# KiCad board LivSynth_Hardware.kicad_pcb (continued)
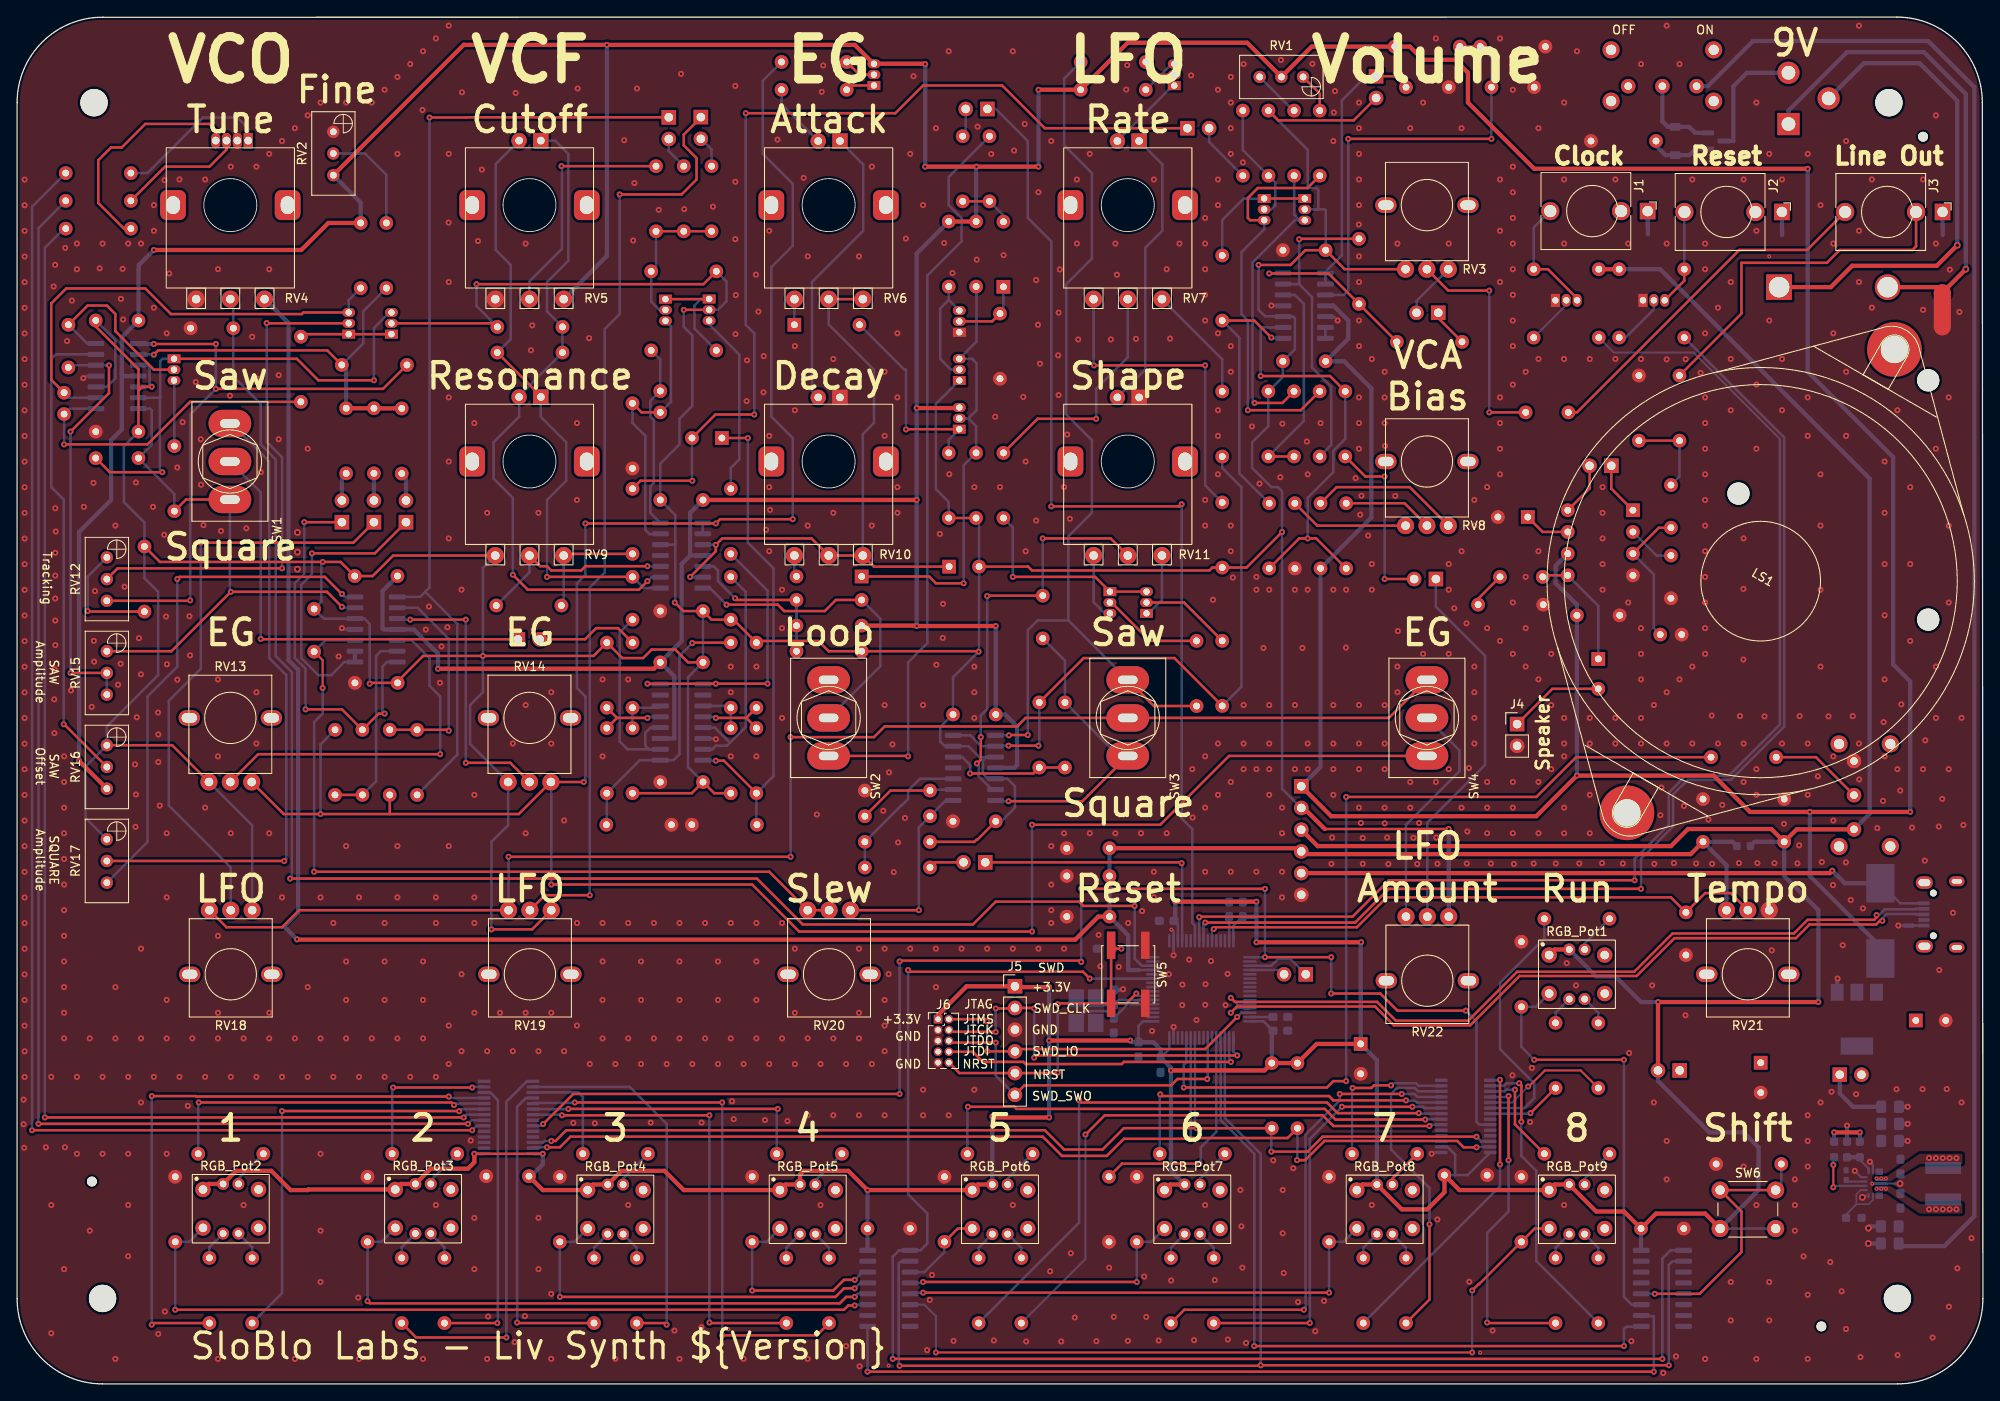
[diagram p0: board, top side]
## Routing (per net, layer and track width the routed paths; a pad name or vN(x,y) marks a point on that pad's centre or on a via; arc(x,y) is an arc through that point) (continued)
VBUS: length 74.6
  Top w0.5: v1(212.38,60.05) 212.09,59.77 J201.5
  Bottom w0.3: J21.1 220.35,56.23 D12.2
  Bottom w0.5: D12.2 213.85,58.58 v1(212.38,60.05)
/EG/AR_OUT: length 303.7
  Top w0.3: SW4.1 141.8,73.48 133.75,65.43 v1(118.75,65.43) ; 43.6,66.68 R79.1 ; 43.6,66.68 v1(35.5,66.68) 31.2,66.68 RV13.3 ; 43.6,66.68 58.7,66.68 RV14.3 v1(66.3,70.43) ; v1(90.75,101.18) 82.25,101.18 v1(81.75,100.68) v1(66.5,100.68) ; v1(118.75,52.93) 91.5,52.93 86,58.43 v1(62.5,58.43)
  Bottom w0.3: U5.2 U5.1 80.28,100.68 v1(81.75,100.68) ; v1(90.75,101.18) 90.75,110.68 88.25,113.18 88.25,130.68 90.75,133.18 90.75,140.43 87.25,143.93 87.25,152.49 R4.2 ; v1(62.5,58.43) 62.5,70.38 RV14.3 ; v1(66.3,70.43) 66.5,70.63 66.5,80.43 65.5,81.43 65.5,93.68 66.5,94.68 v1(66.5,100.68) ; v1(118.75,65.43) v1(118.75,52.93) ; R81.1 35.5,74.84 v1(35.5,66.68)
/EG/GATE_OUT: length 117.2
  Top w0.3: v1(136.25,102.93) 136,102.68 v1(121,102.68)
  Bottom w0.3: v1(136.25,102.93) 136.25,66.18 137.5,64.93 137.5,53.93 137.81,53.62 U9.23 ; v1(121,102.68) 121,133.68 118.25,136.43 118.25,145.43 114.5,149.18 J11.1
/IO/ADC_IN1: length 181.8
  Top w0.3: v1(130.75,55.93) 124.75,55.93 124.25,56.43 114.5,56.43 111.83,53.76 91.92,53.76 86.55,59.13 v1(31.95,59.13)
  Bottom w0.3: RV4.2 25.3,126.58 C6.1 25.3,117.88 28.5,114.68 28.5,109.93 30.25,108.18 30.25,85.18 32.15,83.28 32.15,59.33 v1(31.95,59.13) ; U9.14 131.6,48.93 130.75,49.78 v1(130.75,55.93)
/IO/ADC_IN2: length 68
  Top w0.3: v1(140,53.23) 140.2,53.43 156.75,53.43 160.25,56.93 193.5,56.93 C43.1 197.5,57.43 200.5,57.43 RV21.2
  Bottom w0.3: v1(140,53.23) 139.81,53.04 U9.27
/IO/BTN1: length 93.1
  Top w0.3: v1(98,9.18) 97.25,9.18 96.75,8.68 v1(18.5,8.68)
  Bottom w0.3: v1(98,9.18) 98.09,9.27 U14.11 ; v1(18.5,8.68) R111.2 20.12,16.62 RGB_Pot2.3
/IO/BTN2: length 70
  Top w0.3: v1(41,9.68) 41.25,9.43 96.25,9.43 97,10.18 v1(98,10.18)
  Bottom w0.3: U14.12 98.37,10.54 v1(98,10.18) ; RGB_Pot3.3 42.62,16.62 R110.2 v1(41,9.68)
/IO/BTN3: length 47
  Top w0.3: v1(98,11.18) 96.75,11.18 95.75,10.18 v1(63.5,10.18)
  Bottom w0.3: v1(98,11.18) 98.63,11.81 U14.13 ; v1(63.5,10.18) R109.2 65.19,16.62 RGB_Pot4.3
/IO/BTN4: length 24
  Top w0.3: v1(98,12.18) 96.75,12.18 95.5,10.93 v1(86,10.93)
  Bottom w0.3: v1(86,10.93) R108.2 87.69,16.62 RGB_Pot5.3 ; U14.14 98.91,13.08 v1(98,12.18)
/IO/BTN5: length 10.1
  Top w0.3: RGB_Pot6.3 110.06,18.18 R107.2
  Bottom w0.3: U14.3 106.16,13.08 108.5,15.43 R107.2
/IO/BTN6: length 35.2
  Top w0.3: v1(106,11.93) v1(131,11.93)
  Bottom w0.3: U14.4 105.88,11.81 v1(106,11.93) ; RGB_Pot7.3 132.69,16.62 R105.2 v1(131,11.93)
/IO/BTN7: length 58.9
  Top w0.3: v1(153.5,10.68) v1(106,10.68)
  Bottom w0.3: RGB_Pot8.3 155.19,16.62 R113.2 v1(153.5,10.68) ; v1(106,10.68) 104.61,10.68 U14.5
/IO/BTN8: length 89.8
  Top w0.25: v1(170.25,3.68) v1(107.5,3.68)
  Top w0.3: RGB_Pot9.3 177.56,18.18 R112.2 171.06,11.68 171,11.68 v1(170.25,10.93)
  Bottom w0.25: U14.6 106.16,9.27 107.5,7.93 v1(107.5,3.68) ; v1(170.25,10.93) v1(170.25,3.68)
/IO/BTN9: length 51.4
  Top w0.3: v1(177.5,37.93) v1(188,37.93)
  Bottom w0.3: RGB_Pot1.3 177.69,44.12 R89.2 176,39.43 v1(177.5,37.93) ; U13.11 188.9,9.27 188,10.18 v1(188,37.93)
/IO/BTN_SHIFT: length 31.9
  Top w0.3: v1(191.62,10.54) 196.87,10.54 201.75,15.43 201.75,20.18 SW6.1 SW6.1
  Bottom w0.3: R114.1 206.41,23.34 SW6.1 ; v1(191.62,10.54) U13.12
/IO/CLOCK_OUT: length 143.2
  Top w0.3: v1(138.31,54.62) 138.37,54.68 156.25,54.68 160.5,58.93 v1(189.25,58.93)
  Bottom w0.25: 206.25,110.53 206.25,110.57 196.14,120.68 186.81,120.68 R30.1
  Bottom w0.3: v1(189.25,58.93) 189.25,61.43 193.25,65.43 193.25,69.18 195.25,71.18 200.29,71.18 206.25,77.14 206.25,110.53 ; v1(138.31,54.62) U9.24
/IO/I2C_SCL_IN: length 129
  Top w0.3: v1(170.75,28.93) 152.75,28.93 151,27.18 v1(146.75,27.18) ; R93.2 138.02,29.92 v1(138.01,29.93) 129.5,29.93 127,27.43 122.5,27.43 120.25,29.68 64.25,29.68 63,28.43 v1(62.5,28.43)
  Bottom w0.3: v1(146.75,27.18) 146.75,29.87 R93.2 ; v1(138.01,29.93) 137.81,30.13 U9.58 ; U11.26 61.57,28.25 61.75,28.43 v1(62.5,28.43) ; v1(170.75,28.93) 171.3,28.38 U10.26
/IO/I2C_SDA_IN: length 131.8
  Top w0.3: v1(62,27.68) 63.5,27.68 64.75,28.93 120,28.93 122.25,26.68 127.5,26.68 129.5,28.68 v1(137.25,28.68) 137.34,28.77 148.65,28.77 R92.2 ; v1(149.75,26.18) 150.71,26.18 152.96,28.43 168.5,28.43 169.25,27.68 v1(170.75,27.68)
  Bottom w0.3: v1(137.25,28.68) 137.31,28.74 U9.59 ; v1(62,27.68) 60.44,27.68 U11.27 60.39,27.63 ; R92.2 149.8,26.23 v1(149.75,26.18) ; v1(170.75,27.68) 170.8,27.73 U10.27
/IO/LED1_B: length 156.6
  Top w0.3: v1(3.25,31.18) v1(52.25,31.18)
  Bottom w0.3: U11.8 52.57,31.5 v1(52.25,31.18) ; R16.2 5.5,135.18 3.25,132.93 v1(3.25,31.18)
/IO/LED1_G: length 161.6
  Top w0.3: v1(2.5,30.43) v1(52.75,30.43)
  Bottom w0.3: U11.7 53.18,30.85 v1(52.75,30.43) ; R15.2 2.5,135.24 v1(2.5,30.43)
/IO/LED1_R: length 166.7
  Top w0.3: v1(1.75,29.68) v1(53.25,29.68)
  Bottom w0.3: v1(53.25,29.68) 53.78,30.2 U11.6 ; R14.2 1.75,137.74 v1(1.75,29.68)
/IO/LED_OEN: length 164.7
  Top w0.3: v1(103.25,49.43) 103.35,49.53 124.35,49.53 v1(124.5,49.38) ; v1(124.5,57.93) v1(146,57.93) ; v1(61.54,30.4) 65.07,33.93 v1(103.25,33.93) ; v1(146,49.93) v1(153.75,49.93) ; v1(169.5,43.68) 161.5,43.68 159.5,45.68 v1(153.75,45.68)
  Bottom w0.3: v1(61.54,30.4) 61.35,30.2 U11.23 ; 144.5,49.93 v1(146,49.93) v1(146,57.93) ; v1(103.25,33.93) v1(103.25,49.43) ; U10.23 171.1,30.33 170.75,30.68 170.75,42.43 v1(169.5,43.68) ; v1(153.75,45.68) v1(153.75,49.93) ; v1(124.5,57.93) v1(124.5,49.38)
/IO/P1_B: length 72.6
  Top w0.3: v1(15.75,6.93) 15.94,7.12 R125.1 ; v1(50.5,33.63) 20.96,33.63 20.91,33.68 v1(15.75,33.68)
  Bottom w0.3: v1(50.5,33.63) 50.67,33.45 U11.11 ; v1(15.75,33.68) v1(15.75,6.93)
/IO/P1_G: length 39.6
  Top w0.3: v1(51.12,32.63) 50.82,32.93 v1(21.25,32.93)
  Bottom w0.3: v1(21.25,32.93) 21.19,32.87 R104.2 ; U11.10 51.29,32.8 v1(51.12,32.63)
/IO/P1_R: length 50
  Top w0.3: v1(31,31.93) 51.71,31.93 v1(51.73,31.91)
  Bottom w0.3: U11.9 51.97,32.15 v1(51.73,31.91) ; R124.2 31,10.62 v1(31,31.93)
/IO/P2_B: length 44.6
  Top w0.3: R123.1 46.69,5.43 v1(57.25,5.43)
  Bottom w0.3: U11.15 59.64,35.4 57.25,33.02 v1(57.25,5.43)
/IO/P2_G: length 18.5
  Top w0.3: v1(53.25,34.68) v1(44,34.68)
  Bottom w0.3: v1(44,34.68) 43.88,34.56 R103.2 ; U11.13 53.32,34.75 v1(53.25,34.68)
/IO/P2_R: length 34.3
  Top w0.3: v1(56.19,7.12) R122.2
  Bottom w0.3: v1(56.19,7.12) 56.25,7.18 56.25,33.22 55.36,34.1 U11.12
/IO/P3_B: length 36.6
  Top w0.3: R131.1 58.56,7.12 v1(58.5,7.18)
  Bottom w0.3: U11.18 59.53,33.45 58.5,32.43 v1(58.5,7.18)
/IO/P3_G: length 12.7
  Bottom w0.3: R100.2 66.19,33.59 65.68,34.1 U11.17
/IO/P3_R: length 44.5
  Top w0.3: R130.2 75.81,7.12 v1(76,6.93)
  Bottom w0.3: U11.16 71.68,34.75 76,30.43 v1(76,6.93)
/IO/P4_B: length 53.9
  Top w0.3: R129.1 81.06,7.12 v1(81,7.18) ; v1(63.75,31.43) v1(81,31.43)
  Bottom w0.3: U11.21 63.68,31.5 v1(63.75,31.43) ; v1(81,31.43) v1(81,7.18)
/IO/P4_G: length 33.9
  Top w0.3: v1(64.5,32.18) v1(89,32.18)
  Bottom w0.3: U11.20 64.47,32.15 v1(64.5,32.18) ; v1(89,32.18) 88.88,32.06 R99.2
/IO/P4_R: length 62.5
  Top w0.3: v1(65.25,32.93) v1(82.5,32.93) ; v1(82.5,5.68) 93.56,5.68 R128.2
  Bottom w0.3: v1(65.25,32.93) 65.2,32.88 60.44,32.88 U11.19 ; v1(82.5,32.93) v1(82.5,5.68)
/IO/P5_B: length 74
  Top w0.3: v1(164,31.68) 154.5,31.68 153.25,32.93 124.5,32.93 v1(124.25,33.18)
  Bottom w0.3: U10.8 164.05,31.63 v1(164,31.68) ; R127.1 124.25,18.87 v1(124.25,33.18)
/IO/P5_G: length 61.6
  Top w0.3: v1(111.25,32.43) 116.69,32.43 116.94,32.18 153,32.18 154.25,30.93 v1(164.75,30.93)
  Bottom w0.3: U10.7 164.8,30.98 v1(164.75,30.93) ; R98.2 111.19,32.37 v1(111.25,32.43)
/IO/P5_R: length 68.3
  Top w0.3: v1(125,29.18) 127.25,31.43 152.75,31.43 154,30.18 v1(165.25,30.18)
  Bottom w0.25: R126.2 125,14.62 v1(125,29.18)
  Bottom w0.3: v1(165.25,30.18) 165.4,30.33 U10.6
/IO/P6_B: length 55.4
  Top w0.3: v1(150.55,8.68) 136.56,8.68 R121.1 ; v1(162,33.93) v1(154.75,33.93)
  Bottom w0.3: U10.11 163.85,33.58 163.5,33.93 v1(162,33.93) ; v1(154.75,33.93) 154.75,33.13 154.71,33.13 150.75,29.17 150.75,8.68 v1(150.55,8.68)
/IO/P6_G: length 40.3
  Top w0.3: v1(162.5,33.18) 154,33.18 153.5,33.68 133.95,33.68 v1(133.75,33.88)
  Bottom w0.3: v1(162.5,33.18) 162.55,33.13 163.55,33.13 163.75,32.93 U10.10 ; v1(133.75,33.88) 133.69,33.82 R97.2
/IO/P6_R: length 49.8
  Top w0.3: v1(151.25,7.13) 151.24,7.12 R120.2 ; v1(163.25,32.43) v1(155,32.43)
  Bottom w0.3: v1(155,32.43) 151.25,28.68 v1(151.25,7.13) ; v1(163.25,32.43) 164.5,32.43 164.65,32.28 U10.9
/IO/P7_B: length 36.2
  Top w0.3: v1(173.5,35.58) v1(173.5,25.68)
  Bottom w0.3: U10.15 173.45,35.53 v1(173.5,35.58) ; R119.1 173.5,23.12 v1(173.5,25.68)
/IO/P7_G: length 18.5
  Top w0.3: v1(156.25,34.63) 158.45,34.63 158.75,34.93 v1(160.75,34.93)
  Bottom w0.3: v1(160.75,34.93) 161,35.18 163.66,35.18 163.96,34.88 U10.13 ; R102.2 156.19,34.57 v1(156.25,34.63)
/IO/P7_R: length 36.2
  Top w0.3: v1(165.25,18.68) 165.25,9.87 R118.2
  Bottom w0.3: v1(165.25,18.68) 165.25,22.93 160.75,27.43 160.75,33.93 161.45,34.63 163.51,34.63 163.91,34.23 U10.12
/IO/P8_B: length 37.7
  Top w0.3: v1(172,7.18) 172.06,7.12 R117.1 ; v1(174.5,26.18) v1(174.5,33.68)
  Bottom w0.3: U10.18 174.4,33.58 v1(174.5,33.68) ; v1(174.5,26.18) 174.5,20.18 172,17.68 v1(172,7.18)
/IO/P8_G: length 11.9
  Top w0.3: v1(175.25,34.43) 175.25,30.37 R101.2
  Bottom w0.3: v1(175.25,34.43) 174.25,34.43 174.05,34.23 U10.17
/IO/P8_R: length 35.4
  Top w0.3: v1(175.75,35.18) 176,34.93 v1(176,30.68)
  Bottom w0.3: R116.2 177.75,14.37 177.75,24.93 176,26.68 v1(176,30.68) ; U10.16 173.95,34.88 174.25,35.18 v1(175.75,35.18)
/IO/P9_B: length 8.9
  Top w0.3: v1(177.06,31.68) R91.1
  Bottom w0.3: U10.21 177.01,31.63 v1(177.06,31.68)
/IO/P9_G: length 30.4
  Bottom w0.3: U10.20 176.35,32.28 177.5,33.43 177.5,35.18 173.5,39.18 173.5,46.93 178.69,52.12 R88.2
/IO/P9_R: length 15
  Top w0.25: v1(176.8,34.8) 176.88,34.8 178.75,36.68 182.94,36.68 R90.2
  Bottom w0.25: U10.19 174.93,32.93 v1(176.8,34.8)
/IO/RESET_OUT: length 134.1
  Top w0.3: v1(190,57.93) 160.5,57.93 156.55,53.98 v1(139.01,53.98)
  Bottom w0.3: v1(190,57.93) 190,61.47 193.75,65.22 193.75,68.97 194.96,70.18 195,70.18 195.5,70.68 200.5,70.68 206.75,76.93 206.75,110.74 R29.1 ; v1(139.01,53.98) 138.81,53.78 U9.25
/IO/SR_SHLDN: length 184.3
  Top w0.3: v1(102.45,2.93) v1(192.5,2.93) ; v1(104.25,48.43) 104.45,48.23 124.7,48.23 v1(125.5,47.43)
  Bottom w0.3: v1(104.25,48.43) 104.25,22.18 106.5,19.93 106.5,16.43 105.69,15.62 103.44,15.62 ; v1(192.5,2.93) 192.5,14.68 193.44,15.62 U13.1 ; U9.11 v1(125.5,47.43) ; v1(102.45,2.93) 102.45,14.88 103.19,15.62 103.44,15.62 ; 103.44,15.62 U14.1
/IO/SR_SPI_CLK: length 157.2
  Top w0.3: v1(193.25,2.18) v1(145.5,2.18) 145.45,2.13 v1(103.25,2.13)
  Bottom w0.3: U13.2 193.68,14.35 193.25,13.93 v1(193.25,2.18) ; v1(145.5,2.18) 145.5,26.93 141.31,31.12 U9.51 ; U14.2 103.43,14.35 103.15,14.08 103.15,2.23 v1(103.25,2.13)
/IO/SR_SPI_MISO: length 85.1
  Top w0.3: v1(144.75,4.43) v1(188,4.43)
  Bottom w0.3: v1(144.75,4.43) 144.75,26.93 140.81,30.87 U9.52 ; v1(188,4.43) 188,6.43 188.25,6.68 189.97,6.68 U13.9
/IO/VCA_IN: length 4.6
  Top w0.3: J13.1 166.28,124.71 R35.2
/LFO/LFO_SQA_OUT: length 111.5
  Top w0.3: SW3.1 133.01,79.32 R63.2 ; v1(118.25,75.93) 116.08,75.93 v1(116.04,75.89)
  Bottom w0.3: v1(118.25,75.93) 118.25,88.18 119.4,89.33 123,89.33 ; U6.1 v1(116.04,75.89) ; 123,89.33 123,99.18 125.75,101.93 125.75,110.43 122.75,113.43 122.75,128.68 125.75,131.68 125.75,141.68 122.5,144.93 122.5,152.74 R3.2 ; 123,89.33 SW3.1
/LFO/LFO_TRI_OUT: length 35.1
  Top w0.3: SW3.3 124.65,68.18 v1(116,68.18)
  Bottom w0.3: v1(116,68.18) 114.56,68.18 U6.7 ; 128.86,73.48 R71.1 122.6,84.63 C25.2
/MCU/BOOT0: length 103.1
  Top w0.3: R73.2 182.4,73.33 177.75,68.68 v1(155.5,68.68) ; v1(155.5,35.43) 154,35.43 153.25,34.68 v1(136.5,34.68)
  Bottom w0.3: U9.60 136.81,37.62 136.5,37.31 v1(136.5,34.68) ; v1(155.5,68.68) v1(155.5,35.43)
/MCU/DAC_OUT1: length 32.1
  Top w0.3: J22.1 136.15,61.03 v1(136.25,60.93)
  Bottom w0.3: U9.20 136.31,60.87 v1(136.25,60.93)
/MCU/DBG1: length 7.6
  Bottom w0.3: J23.1 149.03,49.68 147.5,49.68 146.75,48.93 U9.35
/MCU/DBG2: length 4.2
  Bottom w0.3: U9.36 147.74,48.43 J23.2
/MCU/HSE_IN: length 10.8
  Bottom w0.3: U9.5 129.95,44.43 C47.1 127.47,43.63 124.96,43.63 123.91,42.58 Y1.3
/MCU/HSE_OUT: length 7.3
  Bottom w0.3: U9.6 128.92,44.93 128.31,44.32 127.02,44.32 Y1.1
/MCU/JTCK-SWCLK: length 44.7
  Top w0.3: v1(114.5,43.93) 116.69,43.93 J5.2 118.94,43.99 v1(119,43.93) ; v1(119,38.18) 119.25,38.43 v1(142.75,38.43) ; J6.4 109.23,41.2 114.48,41.2 v1(114.5,41.18)
  Bottom w0.3: v1(119,43.93) v1(119,38.18) ; v1(142.75,38.43) 142.31,38.87 U9.49 ; v1(114.5,41.18) v1(114.5,43.93)
/MCU/JTDI: length 36.6
  Top w0.3: v1(142.01,37.68) 129.5,37.68 129.25,37.43 118,37.43 117.75,37.68 113,37.68 111.81,38.87 J6.8
  Bottom w0.3: U9.50 141.81,37.88 v1(142.01,37.68)
/MCU/JTDO-TRACESWO: length 40.7
  Top w0.3: J6.6 109.23,39.93 v1(114.5,39.93) ; J5.6 117.85,34.93 135.01,34.93 135.76,35.68 v1(139.25,35.68)
  Bottom w0.3: v1(114.5,39.93) 114.5,36.08 J5.6 ; v1(139.25,35.68) 139.31,35.74 U9.55
/MCU/JTMS-SWDIO: length 40.7
  Top w0.3: v1(142.75,42.93) 139,39.18 117.02,39.18 J5.4 113.52,38.91 v1(113.5,38.93) ; J6.2 113.25,42.68 v1(113.5,42.43)
  Bottom w0.3: U9.46 143.25,43.43 v1(142.75,42.93) ; v1(113.5,42.43) v1(113.5,38.93)
/MCU/NRST: length 42.1
  Top w0.3: 121.85,44.53 SW5.2 ; SW5.2 SW5.2 128.4,50.93 v1(129.2,50.93) ; SW5.2 129.8,44.53 v1(130.95,45.68) ; v1(121.75,36.43) 121.69,36.37 J5.5 110.25,36.37 J6.10
  Bottom w0.3: v1(130.95,45.68) 131.2,45.43 U9.7 ; v1(121.75,36.43) v1(121.75,44.43) ; v1(129.2,50.93) C42.1
/MCU/SPI_MOSI: length 26.8
  Top w0.3: R106.1 129.29,25.78 v1(138.35,25.78)
  Bottom w0.3: U9.53 140.31,29.49 138.5,27.68 138.5,25.93 v1(138.35,25.78)
/MCU/SW_BOOT0: length 10.9
  Top w0.3: R73.1 210.48,73.33 SW8.2
/MCU/USB_D+: length 90.3
  Top w0.3: v1(218.24,54.19) 217.95,54.19 217.51,53.75 209.71,53.75 208.11,52.15 193.91,52.15 189.49,47.73 175.79,47.73 170.01,41.95 161.09,41.95 158.89,44.15 142.72,44.15 v1(142,43.43)
  Bottom w0.2: U9.45 142.5,43.93 v1(142,43.43)
  Bottom w0.3: v1(218.24,54.19) 218.24,54.48 218.74,54.98 222.07,54.98 222.12,54.93 J21.3
/MCU/USB_D-: length 90.3
  Top w0.3: v1(217.56,54.86) 217.56,54.58 217.29,54.3 209.49,54.3 207.89,52.7 193.69,52.7 189.21,48.23 175.51,48.23 169.79,42.5 161.31,42.5 159.11,44.7 142.47,44.7 v1(142,45.18)
  Bottom w0.2: U9.44 142.75,44.43 v1(142,45.18)
  Bottom w0.3: J21.2 222.12,55.58 222.07,55.53 218.52,55.53 217.85,54.86 v1(217.56,54.86)
/MCU/VCAP_1: length 2.8
  Bottom w0.3: U9.31 C39.1
/MCU/VCAP_2: length 2.7
  Bottom w0.3: C46.1 U9.47
/ModMatrix/VCA_CV_OUT: length 44.7
  Bottom w0.3: J18.1 166,90.93 171.75,85.18 171.75,72.43 165,65.68 RV22.2
/ModMatrix/VCF_EG_OUT: length 114.5
  Top w0.3: J9.1 52.53,148.2 52.5,148.18 v1(48.25,148.18)
  Bottom w0.3: 47.75,92.68 51.5,88.93 51.5,73.62 R78.2 ; 47.75,92.68 47.16,92.09 U4.1 ; 47.75,92.68 48.25,93.18 v1(48.25,148.18)
/ModMatrix/VCF_LFO_OUT: length 109.6
  Top w0.3: v1(67,57.18) 61.75,57.18 RV19.2 ; v1(70.5,139.18) 77.75,139.18 79.5,140.93 79.5,143.43 78,144.93 78,146.18 80,148.18 J8.1
  Bottom w0.3: v1(70.5,139.18) 70.5,125.18 68.75,123.43 68.75,94.93 67,93.18 v1(67,57.18)
/ModMatrix/VCO_EG_OUT: length 45.8
  Top w0.3: v1(43,78.43) 42.29,78.43 R80.2 38.01,78.93 v1(33.75,78.93) ; v1(33.6,100.83) J17.1
  Bottom w0.3: U4.7 43.29,84.47 42.75,83.93 42.75,78.68 v1(43,78.43) ; v1(33.6,100.83) 33.6,94.8 32.5,93.7 32.5,84.93 33.75,83.68 v1(33.75,78.93)
/ModMatrix/VCO_LFO_OUT: length 68.8
  Top w0.3: v1(21.5,98.43) 39.35,98.43 J16.1
  Bottom w0.3: RV18.2 25,60.43 17.75,67.68 17.75,79.93 21.5,83.68 v1(21.5,98.43)
/Power/BAT_N: length 57.7
  Top w0.5: BT1.2 225.9,128.33 v2(228,130.43)
  Bottom w0.5: v2(228,130.43) 228,150.93 223.1,155.83 214.1,155.83 207.25,148.98 J7.1
/Power/BAT_P: length 58.4
  Top w0.5: BT1.1 212.2,128.33 214.7,130.83 224.6,130.83 v2(227,133.23)
  Bottom w0.5: J7.3 216.06,154.53 222.6,154.53 227,150.13 v2(227,133.23)
/Power/FB: length 3.6
  Bottom w0.25: U12.5 216.62,25.2 215.6,26.23 R94.2
  Bottom w0.5: R95.1 R94.2
/Power/L1: length 1.2
  Bottom w0.5: L1.1 225.35,21.28 ; L1.1 224.85,21.58 ; L1.1 225.35,21.18
  vias: v1(223.7,20.43) v1(224.5,20.43) v1(225.3,20.43) v1(226.1,20.43) v1(226.9,20.43) v3(217.55,22.82) v3(218.1,22.82) v3(218.65,22.82)
/Power/L2: length 0.5
  Bottom w0.5: L1.2 224.85,25.28
  vias: v1(223.7,26.43) v1(224.5,26.43) v1(225.3,26.43) v1(226.1,26.43) v1(226.9,26.43) v3(217.55,24.04) v3(218.1,24.04) v3(218.65,24.04)
/Power/PG: length 7.3
  Top w0.25: v1(212.5,23) v1(212.5,25.63)
  Bottom w0.25: v1(212.5,25.63) 212.5,26.42 R96.2 ; U12.2 212.67,23.18 v1(212.5,23)
/Power/Vaux: length 2.3
  Bottom w0.25: C57.1 214.18,23.68 U12.3
/Power/VGREF: length 51.1
  Top w0.3: v1(155.75,145.68) v1(172.5,145.68) ; R1.1 R2.2
  Bottom w0.3: v1(172.5,145.68) C1.1 172.5,155.17 R1.1 ; v1(155.75,145.68) 155.75,127.93 155.25,127.42 153.07,127.42
/Power/Vout: length 12.9
  Top w0.5: v1(215.6,29.43) v1(212.6,29.43)
  Bottom w0.5: J25.1 213.25,33.98 214.8,32.43 C53.1 ; v1(212.6,29.43) R96.1 ; R94.1 v1(215.6,29.43)
/Slew/V/OCT_OUT: length 34.3
  Top w0.3: v1(34.5,97.18) 41.85,97.18 J15.1
  Bottom w0.3: U4.8 38.29,84.47 36.75,82.93 35.25,82.93 33.25,84.93 33.25,93.51 34.5,94.76 v1(34.5,97.18)
  Bottom w0.5: U4.8 U4.9
/VCA/VCA_IN: length 111.6
  Top w0.3: J10.1 120.25,146.93 115.25,151.93 106,151.93 102.75,148.68 v1(85.25,148.68) ; v1(79,105.68) 72.94,105.68 R53.1 ; v1(86.25,113.43) 81.71,113.43 C10.2
  Bottom w0.3: C10.2 78.96,105.72 v1(79,105.68) ; v1(85.25,148.68) 85.25,123.93 86.25,122.93 v1(86.25,113.43)
/VCF/VCF_IN: length 52.4
  Top w0.3: v1(28.5,87.18) 28.55,87.13 J19.1
  Bottom w0.3: v1(28.5,87.18) 28.5,104.33 SW1.2
/VCO/SAW_OUT: length 66.4
  Top w0.3: SW1.1 19.76,103.48 R48.2 ; v1(38,90.93) 36.25,92.68 v1(25,92.68) 18.05,85.73 RV15.1
  Bottom w0.3: R48.2 18.4,104.13 C13.2 15.75,109.88 15.75,113.93 15.56,114.12 U2.7 ; SW1.1 24.9,92.78 v1(25,92.68) ; U4.13 38.11,90.82 v1(38,90.93)
/VCO/SQUARE_OUT: length 74.9
  Top w0.3: v1(31.26,61.19) RV17.2
  Bottom w0.3: SW1.3 25.05,112.38 29.5,107.93 29.5,84.93 31.5,82.93 31.5,61.43 v1(31.26,61.19)
VGND: length 719.4
  Top w0.3: Q11.2 55.77,124.1 R31.2 ; v1(148,99.68) 143.84,95.52 R54.2 139.84,95.52 139.5,95.18 118.75,95.18 118.25,95.68 118.2,95.63 C22.2 ; 14.2,116.23 C12.1 ; 14.2,116.23 14.2,118.73 9.2,123.73 C4.2 ; 14.2,116.23 14.65,116.68 v1(15.75,116.68) ; Q8.2 v1(78,125.68) ; v1(53.75,128.68) 80.31,128.68 R24.2 ; v1(55.5,53.18) 60.25,53.18 RV19.1 ; R8.2 147.56,147.84 156.38,147.84 J12.2 ; C27.2 78.5,84.43 77,85.93 74.25,85.93 73.25,84.93 70.81,84.93 R70.2 67.44,85.18 v1(54.5,85.18) 47.5,85.18 44.53,82.2 C30.1 41.35,82.03 v1(41.25,81.93) ; v1(145.25,130.93) 149,130.93 150.72,132.65 C3.1 155.32,130.43 RV3.1 ; R65.2 16.71,96.18 v1(35.75,96.18) 37.85,96.18 C18.2 41.6,94.53 44,96.93 RV9.1 ; R84.1 112,63.43 112.25,63.68 112.35,63.68 C35.1 ; R76.1 78.94,69.12 C34.1 81.56,69.12 R75.1 ; v1(76.95,91.43) 77.95,90.43 C26.1 81.25,89.43 C20.2 83.81,89.43 R67.2 86.69,86.93 93.75,86.93 94.95,85.73 R64.2 112.45,85.73 v1(112.5,85.68) ; 153,64.93 v1(167.5,64.93) ; RV16.1 18.15,74.73 RV13.1 ; R49.2 R51.2
  Top w0.5: 153,64.93 150.5,67.43 150.29,67.43 J201.2
  Bottom w0.3: 15.5,116.93 v1(15.75,116.68) ; 15.5,116.93 15.5,118.93 15.23,119.2 U2.3 ; 15.5,116.93 15.23,116.66 U2.5 ; U5.12 77,98.2 77,98.68 ; 9.22,116.66 10.48,116.66 11.5,117.68 11.5,122.13 C4.2 ; C35.1 115.15,65.83 116.75,67.43 116.75,69.93 115.87,70.81 U6.5 113.62,70.81 113,71.43 113,72.93 113.42,73.35 U6.3 112.58,73.35 111.31,74.62 U6.13 108.56,74.62 108,75.18 108,76.83 C31.2 109.5,82.68 v1(112.5,85.68) 112.55,85.73 C22.2 112.55,100.97 R49.2 ; RV13.1 27.5,65.38 RV18.1 ; v1(76.95,91.43) 77,91.48 77,98.68 ; v1(53.75,128.68) 53.75,126.12 R31.2 ; Q13.1 108.26,115.43 108.25,115.43 107.5,114.68 107.5,104.68 109,103.18 R51.2 ; v1(41.25,81.93) 41.25,88.93 40.63,89.55 U4.12 35.88,89.55 C19.2 35.6,91.53 35.6,96.03 v1(35.75,96.18) ; RV9.1 54.5,95.48 v1(54.5,85.18) 54.5,80.93 53,79.43 53,74.88 RV14.1 57.45,65.38 55.5,63.43 v1(55.5,53.18) ; 77,98.68 77,101.68 C16.2 75.25,107.68 77.5,109.93 77.5,112.93 79,114.43 79,122.68 78,123.68 v1(78,125.68) ; C12.1 12.5,109.73 12.5,103.18 14.9,100.78 R65.2 14.9,94.28 16.5,92.68 16.5,82.93 10.5,76.93 RV16.1 8,72.23 8,66.23 RV17.1 ; C3.1 153.1,137.33 153,137.43 151.75,137.43 ; J201.2 148,69.64 v1(148,99.68) 148,104.43 147.5,104.93 146.75,104.93 144.5,107.18 144.5,110.18 146.4,112.08 R47.1 148.1,117.84 C7.2 149.5,121.05 149.5,124.68 149.29,124.88 U1.10 148.08,124.93 146,124.93 145.25,125.68 v1(145.25,130.93) ; Q8.2 82,125.68 83,126.68 83,128.99 R24.2 ; C34.1 78.5,72.18 78.5,82.68 C27.2 C26.1 ; R8.2 151,144.4 151,139.93 152,139.93 152.25,139.68 152.25,137.43 Q5.2